# KiCad board k-1008-visable-memory.kicad_pcb (continued)
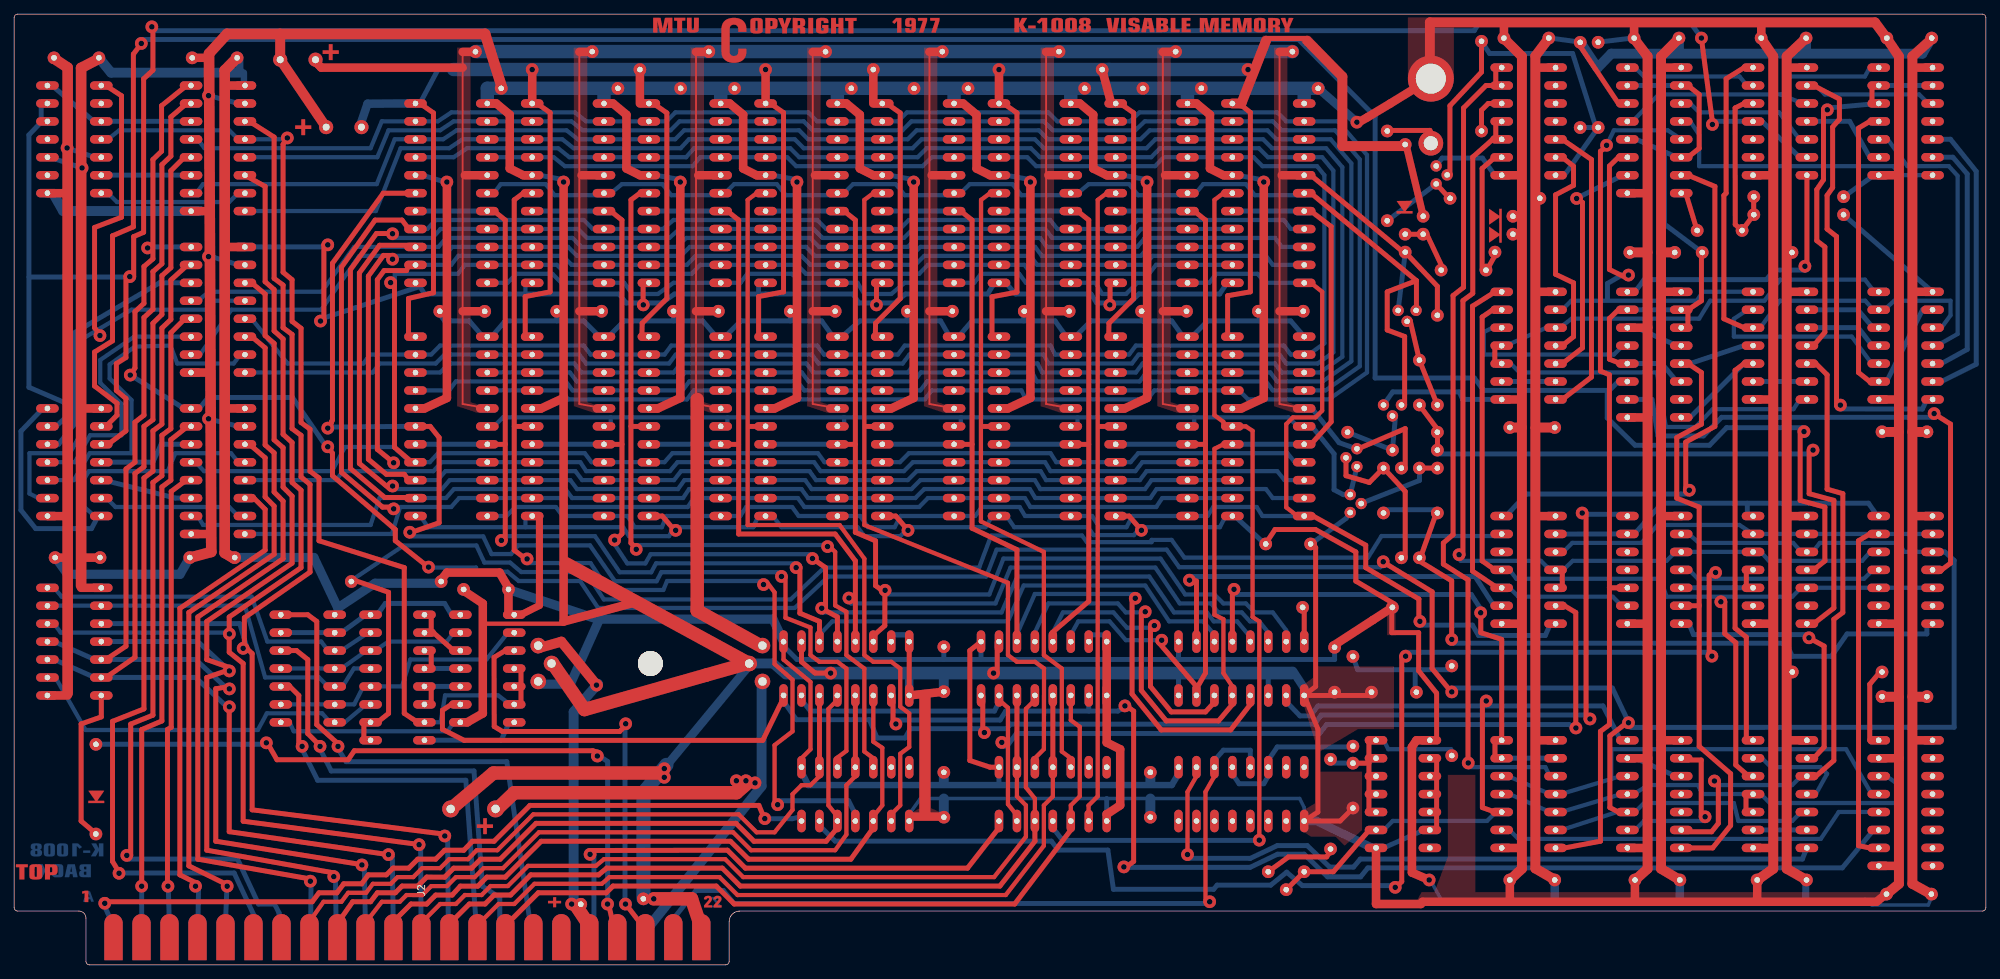
[diagram p0: board, top side]
## Routing (per net, layer and track width the routed paths; a pad name or vN(x,y) marks a point on that pad's centre or on a via; arc(x,y) is an arc through that point) (continued)
/Ram chips (high)/~{DIN_7}: length 165.9
  Top w0.6: 116.47,27.99 116.47,29.35 117.74,30.3 117.74,41.96 116.47,42.91 113.93,42.91 112.66,43.86 112.66,47.77 109.13,49.16 109.13,54.97
  Top w0.7: 56.78,109.27 52.22,109.27 45.03,99.34 45.03,77.2 44.98,77.05 44.92,76.88 44.84,76.68 44.74,76.47 44.69,76.36 44.63,76.26 44.58,76.16 44.52,76.08 44.46,76 44.4,75.93 ; 56.78,76.25 58.85,76.25 60.12,74.66 60.12,62.59 55.51,61.01
  Bottom w0.606: 108.56,55.61 91.57,55.61 90.89,54.32 85,54.32 81.47,59.4 71.27,59.4 70.31,58.17 67.55,58.17 66.36,60.67 55.97,60.67
  Bottom w0.7: 44.39,76.15 56.78,76.26
  vias: v1(44.37,76) v1(55.97,61.26) v1(108.56,55)
/Ram chips (high)/~{LOC_RW}: length 152.3
  Top w0.6: 141.87,20.53 141.87,21.16 140.6,22.75 140.6,36.4 139.33,37.51 139.33,38.15
  Top w0.7: 218.07,50.85 219.34,50.85 220.93,49.89 220.93,33.38
  Bottom w0.7: 111.39,38.16 111.39,37.53 112.66,35.94 138.69,35.94 139.33,37.21 139.33,38.16 ; 220.92,33.4 219.97,34.03 185.68,34.03 184.7,32.76 141.8,32.76 140.46,30.96 139.71,30.96
  vias: v1(139.73,31.5) v1(220.95,33.54)
/Ram chips (high)/~{MEM_CE}: length 175.6
  Top w0.7: 157.11,36.88 158.38,35.92 158.38,14.65 157.11,13.7 ; 124.34,38.15 124.34,34.02
  Bottom w0.7: 263.79,19.13 263.09,19.13 258.64,13.74 191.51,13.74 190.49,12.47 185.81,12.47 182.51,15.67 178.75,15.67 174.85,13.81 157.11,13.81 ; 152.03,38.16 152.03,35.94 ; 124.72,34.67 139.49,34.67 140.28,35.94 156.15,35.94 157.11,36.57
  vias: v1(124.75,34.11) v1(157,13.87) v1(157.15,36.67)
/Ram chips (high)/~{RAM_WE}: length 336.9
  Top w0.6: 182.51,63.55 181.56,63.55 179.97,64.78 179.97,76.56 180.91,77.52 184.1,77.52 185.05,78.47 185.05,95.3 183.46,96.57 182.51,96.57
  Top w0.7: 198.73,48.62 198.73,51.8 191.22,56.24 191.22,59.42 183.78,63.55 182.51,63.55
  Bottom w0.6: 182.4,96.58 177,96.58 175.9,97.85 170.04,97.85 169.09,96.58 158.9,96.58 157.31,94.99 153.93,94.99 152.98,96.58 143.14,96.58 142.18,97.85 136.79,97.85 135.83,96.58 125.99,96.58 124.09,94.99 120.28,94.99 119.32,96.58 111.28,96.58 110.01,97.85 103.72,97.85 102.77,96.58 93.29,96.58 91.07,94.99 87.44,94.99 86.3,96.58 77.41,96.58 76.14,97.85 71.06,97.85 69.79,96.58 66.94,96.58 ; 182.4,63.56 176.6,63.56 175.8,64.83 169.64,64.83 168.85,63.56 158.23,63.56 157.37,61.97 153.53,61.97 152.51,63.56 143.02,63.56 142.26,64.83 136.91,64.83 135.96,63.56 125.4,63.56 124.57,61.97 120.83,61.97 119.69,63.56 110.99,63.56 110.07,64.83 103.56,64.83 102.73,63.56 92.28,63.56 91.64,61.97 87.8,61.97 86.76,63.56 77.6,63.56 76.64,64.83 70.92,64.83 69.65,63.56 66.94,63.56
  Bottom w0.7: 217.9,48.1 217.26,48.1 216.63,46.64 207.19,46.64 206.32,48.1 198.85,48.1
  vias: v1(198.88,48.64)
/Ram chips (low)/~{DIN_0}: length 93.8
  Top w0.6: 152.03,20.37 152,22.56 153.3,23.88 153.3,108.31 154.57,109.27 155.84,109.27
  Top w0.7: 155.84,76.25 153.41,76.25
/Ram chips (low)/~{DIN_1}: length 93.1
  Top w0.6: 139.33,109.27 138.06,109.27 136.79,108.31 136.77,62.79 145.68,58.47 145.68,43.86 148.22,41.96 148.22,30.21 149.49,29.26 149.49,27.99
  Top w0.7: 139.33,76.25 136.9,76.25
/Ram chips (low)/~{DIN_2}: length 128.6
  Top w0.6: 172.35,109.27 171.08,109.27 169.81,108.31 169.81,77.83 171.08,76.88 171.08,76.25 ; 172.35,76.25 174.26,76.25 175.21,75.61 175.21,49.26 176.16,48.62 176.16,17.51
  Bottom w0.7: 146.95,20.38 146.95,19.43 148.32,17.63 176.47,17.63
  vias: v1(176.16,17.66)
/Ram chips (low)/~{DIN_3}: length 103.7
  Top w0.6: 144.41,27.99 144.42,29.27 145.68,30.54 145.7,41.97 144.41,42.91 141.87,42.91 140.6,43.86 140.6,54.11 120.28,62.28 120.28,108.31 121.55,109.27 122.82,109.27
  Top w0.7: 122.82,76.25 120.43,76.25
/RAM_A0: length 316.8
  Top w0.7: 56.78,71.17 56.29,71.17 53.81,73.29 53.81,96.78
  Bottom w0.6: 25.03,71.18 25.66,71.18 26.87,69.91 44.97,69.91 46.81,73.33 53.67,73.33 56.14,71.1 56.78,71.18 58.8,71.18 59.98,72.45 80.73,72.45 81.68,71.18 92.01,71.18 93.13,72.45 113.72,72.45 114.63,71.18 125.32,71.18 126.59,72.45 146.62,72.45 147.43,71.18 157.95,71.18 159.02,72.45 180.14,72.45 181.18,71.18 182.51,71.18 ; 172.35,99.12 161.55,99.12 160.56,97.85 143.88,97.85 142.93,99.12 129.28,99.12 128.04,97.85 112.02,97.85 110.75,99.12 97.05,99.12 95.86,97.85 78.05,97.85 76.78,99.12 63.76,99.12 62.81,97.85 53.86,97.85 53.86,96.58
  vias: v1(53.26,96.6)
/RAM_A1: length 335.9
  Top w0.7: 53.29,103.55 51.25,103.55 47.57,98.43 47.57,70.28 52.43,66.18 56.78,66.18
  Bottom w0.6: 25.03,63.56 25.98,63.56 26.73,62.29 50.43,62.29 51.7,66.1 61.09,66.1 62.22,67.37 77.98,67.37 78.94,66.1 94.64,66.1 95.48,67.37 111.39,67.37 112.31,66.1 127.49,66.1 128.76,67.37 143.7,67.37 144.47,66.1 160.75,66.1 161.62,67.37 177.11,67.37 178.06,66.1 182.51,66.1 ; 172.35,104.2 159.42,104.2 158.35,102.93 146.83,102.93 145.88,104.2 127.15,104.2 125.88,102.93 114.36,102.93 113.09,104.2 94.13,104.2 92.7,102.93 81.05,102.93 79.78,104.2 60.32,104.2 59.17,102.93 53.52,102.93
  vias: v1(53.53,103.52)
/RAM_A2: length 329.9
  Top w0.7: 56.78,104.19 55.83,104.19 54.88,105.46 51.07,105.46 46.3,98.79 46.3,69.75 52.12,64.82 53.61,64.82
  Bottom w0.6: 32.65,61.02 53.45,61.02 54.6,64.83 61.83,64.83 62.95,66.1 77.28,66.1 78.23,64.83 95.3,64.83 96.14,66.1 110.88,66.1 111.8,64.83 128.04,64.83 129.28,66.1 143,66.1 143.77,64.83 161.58,64.83 162.42,66.1 172.35,66.1 ; 56.78,104.2 58.46,104.2 59.63,105.47 80.59,105.47 81.86,104.2 91.81,104.2 93.28,105.47 113.61,105.47 114.88,104.2 125.32,104.2 126.59,105.47 146.59,105.47 147.58,104.2 157.82,104.2 158.9,105.47 179.65,105.47 180.6,104.2 182.51,104.2
  vias: v1(53.69,64.57)
/RAM_A3: length 309.7
  Top w0.7: 53.61,71.17 51.38,72.99 51.38,97.02 52.34,98.31 55.51,98.31 55.83,99.11 56.78,99.11
  Bottom w0.6: 56.78,99.12 61.83,99.12 62.82,100.39 77.6,100.39 78.87,99.12 95.19,99.12 96.39,100.39 111.39,100.39 112.66,99.12 127.49,99.12 128.76,100.39 143.77,100.39 144.72,99.12 160,99.12 161.07,100.39 177.11,100.39 178.06,99.12 182.51,99.12 ; 32.65,68.64 45.58,68.64 46.5,69.91 59.31,69.91 60.47,71.18 80.1,71.18 80.93,69.91 92.78,69.91 93.85,71.18 113.17,71.18 114.09,69.91 125.89,69.91 127.16,71.18 145.86,71.18 146.62,69.91 158.63,69.91 159.61,71.18 172.35,71.18
  Bottom w0.7: 53.69,71.18 53.69,69.99
  vias: v1(53.69,71.09)
/RAM_A4: length 331.3
  Top w0.7: 53.13,67.42 48.84,70.99 48.84,97.98 51.7,101.89 56.78,101.89
  Bottom w0.6: 172.35,68.64 160.91,68.64 159.99,67.37 145.17,67.37 144.41,68.64 128.22,68.64 126.95,67.37 112.84,67.37 111.92,68.64 94.83,68.64 93.92,67.37 79.64,67.37 78.68,68.64 61.63,68.64 60.53,67.37 53.6,67.37 ; 182.51,101.66 179.33,101.66 178.38,102.93 159.96,102.93 158.89,101.66 146.1,101.66 145.15,102.93 127.7,102.93 126.43,101.66 113.88,101.66 112.61,102.93 95.09,102.93 93.73,101.66 80.27,101.66 79,102.93 61.13,102.93 60.03,101.66 48.11,101.66 43.51,95.31 27.57,95.31 25.98,94.04 25.03,94.04
  vias: v1(53.54,67.8)
/RAM_A5: length 328
  Top w0.7: 53.61,100.46 52.24,100.46 50.11,97.52 50.11,71.59 52.65,69.46 55.19,69.46 55.83,68.63 56.78,68.63
  Bottom w0.6: U26.14 U27.9 ; 172.35,101.66 160.48,101.66 159.41,100.39 145.39,100.39 144.44,101.66 128.21,101.66 126.94,100.39 113.29,100.39 112.02,101.66 95.59,101.66 94.32,100.39 79.64,100.39 78.37,101.66 61.95,101.66 60.94,100.39 48.84,100.39 43.44,92.77 30.74,92.77 26.3,86.42 25.03,86.42 ; 182.51,68.64 179.72,68.64 178.7,69.91 160.21,69.91 159.26,68.64 155.84,68.64 ; 56.78,68.64 59.92,68.64 61.02,69.91 79.4,69.91 80.35,68.64 93.36,68.64 94.35,69.91 112.53,69.91 113.45,68.64 126.43,68.64 127.7,69.91 145.22,69.91 145.99,68.64 149.49,68.64
  vias: v1(53.53,99.92)
/RAM_A6: length 320.8
  Bottom w0.6: 32.65,83.88 50.75,83.88 51.7,85.15 59.64,85.15 60.91,86.42 79.95,86.42 80.91,85.15 92.65,85.15 93.61,86.42 112.85,86.42 113.8,85.15 125.71,85.15 126.66,86.42 145.68,86.42 146.31,85.15 158.14,85.15 159.09,86.42 179.01,86.42 179.97,85.15 184.41,85.15 186.63,86.74 186.63,112.46 185.05,114.36 177.38,114.36 176.11,115.63 162.11,115.63 160.87,114.36 145.11,114.36 143.84,115.63 129.1,115.63 127.83,114.36 111.07,114.36 109.8,115.63 96.18,115.63 95.08,114.36 78.55,114.36 76.96,115.63 64.08,115.63 62.17,114.36 56.78,114.36
/RAM_A7: length 308.6
  Bottom w0.6: 66.94,114.36 76.33,114.36 77.92,113.09 96.01,113.09 97.05,114.36 109.37,114.36 110.64,113.09 128.53,113.09 129.8,114.36 143.33,114.36 144.6,113.09 161.4,113.09 162.64,114.36 175.34,114.36 176.61,113.09 184.33,113.09 185.36,111.82 185.36,88.01 183.14,86.42 180.6,86.42 179.65,87.69 158.69,87.69 157.74,86.42 147.26,86.42 146.63,87.69 125.99,87.69 125.04,86.42 114.56,86.42 113.61,87.69 92.97,87.69 92.02,86.42 81.54,86.42 80.59,87.69 60.27,87.69 59,86.42 50.36,86.42 49.41,85.15 38.68,85.15 33.6,91.5 32.65,91.5
/RAM_A8: length 336.6
  Bottom w0.6: 66.94,81.34 77.41,81.34 78.37,80.07 95.19,80.07 96.15,81.34 110.16,81.34 111.12,80.07 128.85,80.07 129.8,81.34 142.5,81.34 143.14,80.07 160.35,80.07 161.31,81.34 173.3,81.34 174.57,80.07 186,80.07 191.4,83.88 191.4,114.68 187.27,119.44 179.97,119.44 178.7,120.71 159.21,120.71 157.86,119.44 147.58,119.44 146.31,120.71 126.31,120.71 125.04,119.44 113.61,119.44 112.34,120.71 93.56,120.71 92.29,119.44 80.91,119.44 79.32,120.71 61.86,120.71 59.95,119.44 52.01,119.44 50.43,115.63 26.93,115.63 25.98,116.9 25.03,116.9
/RAM_A9: length 330.8
  Bottom w0.6: 24.82,109.28 25.77,109.28 26.72,110.55 51.3,110.55 53.84,116.9 60.69,116.9 62.6,118.17 78.16,118.17 79.74,116.9 93.52,116.9 94.79,118.17 111.06,118.17 112.33,116.9 126.42,116.9 127.69,118.17 144.97,118.17 146.24,116.9 159.35,116.9 160.66,118.17 177.31,118.17 178.58,116.9 186.24,116.9 189.18,113.49 189.18,85.47 185.12,82.61 178.67,82.61 177.72,83.88 160.18,83.88 159.23,82.61 144.68,82.61 144.04,83.88 128.26,83.88 127.31,82.61 112.39,82.61 111.43,83.88 94.88,83.88 93.92,82.61 79.59,82.61 78.64,83.88 66.73,83.88
/RAM_A10: length 330.4
  Bottom w0.6: 32.65,106.74 51.18,106.74 54.67,115.63 61.54,115.63 63.44,116.9 77.56,116.9 79.14,115.63 94.29,115.63 95.47,116.9 110.43,116.9 111.7,115.63 127.11,115.63 128.38,116.9 144.41,116.9 145.68,115.63 160.2,115.63 161.45,116.9 176.7,116.9 177.97,115.63 185.61,115.63 187.9,112.95 187.91,86.1 184.73,83.88 179.33,83.88 178.38,85.15 159.65,85.15 158.69,83.88 145.43,83.88 144.79,85.15 127.39,85.15 126.44,83.88 113.04,83.88 112.09,85.15 94.28,85.15 93.32,83.88 80.22,83.88 79.27,85.15 61.54,85.15 60.27,83.88 56.78,83.88
/RAM_A11: length 335.3
  Bottom w0.6: 32.65,114.36 51.38,114.36 52.97,118.17 60.27,118.17 62.17,119.44 78.84,119.44 80.43,118.17 92.87,118.17 94.14,119.44 111.7,119.44 112.97,118.17 125.67,118.17 126.94,119.44 145.68,119.44 146.95,118.17 158.61,118.17 159.96,119.44 178.06,119.44 179.33,118.17 186.88,118.17 190.37,114.04 190.37,84.76 185.53,81.34 178.06,81.34 177.11,82.61 160.74,82.61 159.79,81.34 143.95,81.34 143.31,82.61 129.17,82.61 128.21,81.34 111.78,81.34 110.82,82.61 95.51,82.61 94.56,81.34 79,81.34 78.05,82.61 62.49,82.61 61.54,81.34 56.78,81.34
/RAM_DOUT_0: length 118.5
  Top w0.7: 161.84,45.74 167.27,39.42 167.27,38.15 ; 166,106.73 166.95,106.73 168.54,105.46 168.54,41.32 167.27,39.1 ; 166,73.71 168.54,73.71
  Bottom w0.6: 162.5,45.97 157.28,45.97 154.97,48.64 150.55,48.64 149.49,46.73 149.49,45.78
  Bottom w0.7: 155.84,106.74 166,106.74 ; 155.84,73.72 166,73.72
  vias: v1(162.35,45.97)
/RAM_DOUT_1: length 127.1
  Top w0.7: 146.95,45.77 146.91,47.09 152.03,51.48 152.03,105.46 150.44,106.73 149.49,106.73 ; 169.81,38.15 169.81,37.19 168.54,35.82 163.71,35.82 160.76,39.42 160.76,47.99 ; 149.49,73.71 152.03,73.71
  Bottom w0.6: 161.23,47.74 157.42,47.74 155.52,49.91 148.38,49.91 146.95,47.05 146.95,45.78
  Bottom w0.7: 139.33,106.74 149.49,106.74 ; 139.33,73.72 149.49,73.72
  vias: v1(161.31,48.04)
/RAM_DOUT_2: length 144.9
  Top w0.6: 172.35,73.71 171.08,73.71 169.81,73.07 169.81,49.58 171.08,48.94 171.08,41.32 172.35,39.42 172.35,38.15
  Top w0.7: 182.51,106.73 183.46,106.73 186.32,104.54 186.32,76.88 183.46,73.71 182.51,73.71 ; 159.47,49.89 159.47,38.86 162.99,34.55 170.4,34.55 172.35,36.88 172.35,38.15
  Bottom w0.6: 159.96,49.91 157.27,49.91 156.15,51.18 146.31,51.18 144.41,47.05 144.41,45.78
  Bottom w0.7: 172.35,73.72 182.51,73.72 ; 172.35,106.74 182.51,106.74
  vias: v1(160.02,50)
/RAM_DOUT_3: length 146.6
  Top w0.7: 141.87,45.77 141.87,58.78 135.52,61.83 135.52,105.46 133.93,106.73 132.98,106.73 ; 132.98,73.71 135.52,73.71 ; 174.89,38.15 174.89,36.88 172.12,33.28 162.27,33.28 158.16,38.36 158.16,51.8
  Bottom w0.6: 158.61,52.52 144.41,52.52 141.87,46.81 141.87,45.85
  Bottom w0.7: 122.82,106.74 132.98,106.74 ; 122.82,73.72 132.98,73.72
  vias: v1(158.61,51.91)
/RAM_DOUT_4: length 155.6
  Top w0.7: 116.47,73.71 119.01,73.71 ; 121.55,45.77 121.6,46.64 123.18,48.03 123.19,52.73 121.87,53.69 121.87,60.04 119.01,61.25 119.01,105.46 117.42,106.73 116.47,106.73
  Bottom w0.6: 179.97,45.78 179.97,47.37 178.06,49.91 175.52,49.91 174.25,51.18 171.08,51.18 169.81,52.45 165.68,52.45 162.19,57.53 139.96,57.53 137.96,52.45 123.2,52.45
  Bottom w0.7: 106.31,106.74 116.47,106.74 ; 106.31,73.72 116.47,73.72
  vias: v1(123.22,53.04)
/RAM_DOUT_5: length 169.2
  Top w0.7: 119.01,45.77 119.01,57.2 116.15,61.01 102.5,61.01 102.5,105.46 100.91,106.73 99.96,106.73 ; 99.96,73.71 102.5,73.71
  Bottom w0.6: 177.43,45.78 177.43,47.05 176.16,48.64 174.84,48.64 173.67,49.91 170.34,49.91 169.35,51.18 164.9,51.18 161.45,56.26 140.96,56.26 138.84,51.18 118.39,51.18 118.05,51.81
  Bottom w0.7: 89.8,73.72 99.96,73.72 ; 89.8,106.74 99.96,106.74
  vias: v1(118.1,51.94)
/RAM_DOUT_6: length 185.6
  Top w0.7: 83.45,73.71 85.99,73.71 ; 83.45,106.73 84.4,106.73 85.99,105.46 85.99,61.04 85.04,60.05 ; 112.98,57.51 114.79,56.24 114.79,50.18 116.47,49.26 116.47,45.77
  Bottom w0.6: 174.89,45.78 174.89,46.42 173.03,48.64 169.71,48.64 168.76,49.91 164.09,49.91 160.6,54.99 141.92,54.99 139.69,49.91 114.42,49.91 114.24,50.54 ; 112.94,58.15 90.05,58.15 89.3,56.85 86.74,56.85 84.61,60.07
  Bottom w0.7: 73.29,106.74 83.45,106.74 ; 73.29,73.72 83.45,73.72
  vias: v1(84.95,60.15) v1(112.94,57.54) v1(114.25,50.5)
/RAM_DOUT_7: length 194.4
  Top w0.7: 66.94,106.73 67.89,106.73 69.48,105.46 69.48,60.2 ; 113.93,45.77 113.93,48.63 111.16,49.8 111.16,56.34 ; 66.94,73.71 69.48,73.71
  Bottom w0.6: 113.93,45.78 113.93,46.73 115.74,48.64 140.6,48.64 142.82,53.72 160.02,53.72 163.4,48.64 168.22,48.64 169.81,46.73 169.81,45.78 ; 68.77,60.7 82.18,60.7 85.67,55.59 90.13,55.59 90.82,56.86 110.63,56.86
  Bottom w0.7: 56.78,73.72 66.94,73.72 ; 56.78,106.74 66.94,106.74
  vias: v1(68.93,60.1) v1(110.63,56.25)
/Sync and video gen/DOT_1: length 64.4
  Bottom w0.6: 225.96,26.33 218.87,24.19 217.27,24.19 211.55,26.64 210.28,26.64 ; 225.96,26.33 227.28,26.73 228.23,26.73 ; 225.96,26.33 225.96,30.54 259.18,30.54 262.77,24.19 263.62,24.19
/Sync and video gen/DOT_2: length 67.7
  Top w0.7: 245.02,24.19 245.02,21.65
  Bottom w0.6: 210.28,24.19 211.55,24.19 217.26,21.65 218.87,21.65 227.38,24.19 229.13,24.19 231.23,25.46 238.22,25.46 238.85,24.19 247.11,24.19 248.38,22.92 266.79,22.92 266.79,25.37 264.89,26.73 263.62,26.73
/Sync and video gen/DOT_CLK: length 106.5
  Top w0.7: P1.2 P1.1 186.64,13.19 191.72,19.1 192.67,19.1 ; 210.45,21.64 209.5,21.64 207.72,22.27 207.72,37.36
  Bottom w0.6: 210.28,21.65 209.64,21.65 208.37,20.38 195.04,20.38 193.77,19.11 192.5,19.11
  Bottom w0.7: 228.06,31.81 227.27,31.81 224.79,36.67 184.46,36.67 183.37,35.26 181.91,35.26 179.95,37.3 179.95,37.94
  vias: v1(208.27,37.37)
/Sync and video gen/HORIZ_UNBLK: length 131.6
  Top w0.7: 242.01,51.43 242.01,46.89 243.57,45.62 243.57,28.3 245.38,26.72 246.01,26.72 ; 210.45,92.76 209.18,92.76 207.69,91.73 207.69,57.2 209.5,55.93 210.45,55.93
  Bottom w0.6: 271.24,53.4 252.82,53.4 251.55,52.13 233.77,52.13 232.92,54.67 212.53,54.67 211.55,55.94 210.28,55.94
  vias: v1(241.46,51.41)
/Sync and video gen/VIDEO: length 6.7
  Top w0.7: 194.26,118.16 200.29,118.16 200.61,117.52
/Sync and video gen/~{DISP_AD_0}: length 74.2
  Top w0.7: 271.64,78.04 273.95,76.56 273.95,56.88 272.68,55.93 271.41,55.93
  Bottom w0.7: 228.23,80.07 231.71,80.07 232.57,74.9 238.99,74.9 241.56,77.53 271.62,77.53
  vias: v1(271.63,78.06)
/~{KIM_DECODE_ENABLE}: length 61.3
  Top w0.7: 86.51,8.62 88.94,5.46 ; 70.75,44.5 69.48,44.5 67.89,43.54 67.92,33.75 69.09,33.05 85.67,33.05 86.63,34.02
  Bottom w0.7: 86.42,34.03 86.42,8.95
  vias: v1(86.52,34.14) v1(86.49,8.61)
/~{KIM_PHI_2}: length 108
  Top w0.6: 169.81,27.99 169.81,26.72 168.54,24.49 168.54,8.94
  Bottom w0.7: 169.49,8.7 101.82,8.7 100.33,10.54 96.46,10.54 92.97,6.16 ; 174.89,28 174.89,30.4 171.08,30.4 169.81,28.95 169.81,28
  vias: v1(169.14,8.94)
/~{KIM_VECTOR_FETCH}: length 98.7
  Top w0.7: 82.68,30.08 81.86,30.32 48.13,30.32 47.26,29.05 37.18,29.05 35.91,31.27 ; 84.09,8.62 85.04,4.49
  Bottom w0.7: 11.69,31.24 35.5,31.24 ; 83.97,8.63 83.97,28.8 82.49,29.77
  vias: v1(35.68,31.44) v1(82.51,29.57) v1(83.95,8.61)
Net-(C5-Pad1): length 27.8
  Top w0.25: 191.65,28.56 191.67,28.54
  Top w0.7: 191.67,21.64 191.67,31.8 ; C5.1 191.65,28.56
  Bottom w0.6: 192.5,31.81 193.77,31.81 194.4,30.54 203.29,30.54 203.29,29.81
  Bottom w0.7: 186.24,28.57 189.32,28.57
Net-(C17-Pad1): length 18.2
  Bottom w0.7: 198.21,38.7 198.21,41.61 ; 203.41,41.79 190.07,41.79 189.41,43.66
Net-(C19-Pad1): length 100.3
  Top w0.7: 198.7,57.23 203.38,54.38 203.38,46.08 ; 198.9,57.51 201.16,63.86
  Bottom w0.7: 271.24,48.28 270.6,48.28 270.6,46.86 259.31,46.86 257.1,43.69 251.55,43.69 250.73,45.54 203.38,45.54 ; 193.74,64.45 201.36,64.45
  vias: v1(203.39,46.08)
Net-(C20-Pad1): length 89.8
  Top w0.7: 198.92,79.1 201.36,75.84 201.36,72.75 ; 253.63,48.31 254.58,48.31 257.44,50.53 257.44,65.77 253.95,66.72 253.95,72.75
  Bottom w0.7: 201.32,72.35 254.52,72.35
  vias: v1(254.5,72.89)
Net-(C31-Pad1): length 21
  Top w0.7: 208.23,98.15 209.82,101.01 ; 210.45,114.35 209.5,114.35 207.68,112.76 207.68,98.41
Net-(C33-Pad1): length 25.8
  Top w0.7: 246.01,121.97 244.74,121.97 243.47,121.33 243.5,104.82 244.45,103.96 ; 246.11,108.76 246.11,106.22 244.45,103.99
Net-(D1-K): length 22.7
  Top w0.7: 12.33,38.15 12.33,35.11 9.48,34.11 9.48,20.37 11.7,18.46
Net-(D2-K): length 8.5
  Top w0.7: 199.66,103.87 202.2,98.47 ; 196.8,103.45 199.34,103.45
Net-(P1-Pad3): length 10.1
  Top w0.7: 186.32,16.24 185.69,15.29 180.29,15.29 P1.3
Net-(Q3-B): length 13.2
  Top w0.7: 198.82,70.35 201.36,70.35
  Bottom w0.7: 198.82,70.35 198.82,68.59 190.56,65.34
Net-(Q4-B): length 22.6
  Top w0.7: 196.8,57.83 196.8,67.04 193.73,70.36 191.72,68.31 188.43,69.26 188.43,71.8
Net-(Q5-B): length 11.7
  Bottom w0.7: 195.43,77.76 194.99,72.87 188.66,75.41
Net-(Q6-B): length 12.5
  Top w0.7: 197.52,91.17 C21.2 R8.2
Net-(Q7-B): length 57.4
  Top w0.7: 207.59,130.86 207.59,126.41 203.13,121.65 203.13,111.81
  Bottom w0.7: 221.6,118.57 223.8,118.56 220.49,129.05 208.73,129.05 207.58,130.77 ; 218.07,111.82 219.34,111.82 224.1,118.57
Net-(Q7-E): length 11.4
  Top w0.7: 201.24,110.54 203.06,108.53
  Bottom w0.7: 194.27,105.38 201.19,110.59
Net-(R16-Pad1): length 6.1
  Top w0.7: 210.45,121.97 208.55,121.97 207.59,121.01 207.59,118.16
Net-(S1A-Pin_1): length 27.9
  Bottom w0.7: 37.73,47.05 46.3,47.05 49.79,49.59 51.38,49.59 52.51,51.18 60.9,51.18 61.86,49.59 63.13,49.59
Net-(S1A-Pin_2): length 52.2
  Bottom w0.6: 50.43,47.05 50.11,47.05 46.3,44.51 44.39,44.51 43.44,45.78 35.82,45.78 33.6,52.13 6.72,52.13 5.66,53.4 4.71,53.4
Net-(S1A-Pin_3): length 27.2
  Bottom w0.6: 63.13,47.05 62.17,47.05 61.22,45.78 52.97,45.78 51.06,44.51 49.88,44.51 46.3,41.97 37.73,41.97
Net-(S1A-Pin_4): length 55.4
  Bottom w0.6: 50.43,41.97 48.06,41.97 46.49,39.43 44.39,39.43 43.12,40.7 35.5,40.7 32.65,50.86 4.71,50.86
Net-(S1A-Pin_5): length 39.2
  Bottom w0.6: 70.75,47.05 69.87,47.05 66.82,43.24 56.05,43.24 54.87,39.43 49.4,39.43 48.11,36.89 37.73,36.89
Net-(S1A-Pin_6): length 52.9
  Bottom w0.6: 4.71,40.7 5.85,40.7 10.11,33.26 34.48,33.26 35.75,35.62 43.57,35.62 44.71,34.35 46.78,34.35 49.8,36.89 50.43,36.89
Net-(S1A-Pin_11): length 7.6
  Top w0.7: 59,36.88 59,39.42
  Bottom w0.7: 58.05,39.43 63.13,39.43
Net-(S1A-Pin_13): length 7.6
  Top w0.7: 59,41.96 59,44.5
  Bottom w0.7: 58.05,41.97 63.13,41.97
Net-(S1A-Pin_15): length 7.6
  Top w0.7: 59,49.58 59,47.04 59.32,47.04 62.18,44.5 63.13,44.5
Net-(S1B-Pin_7): length 205.2
  Top w0.7: 47.57,54.66 52.97,52.75 52.97,35.61 51.38,34.34 50.43,34.34 ; 49.48,34.34 49.48,31.8
  Bottom w0.6: 210.5,60.72 193.44,60.72 191.54,57.67 165.56,57.67 163.76,60.17 160.92,60.17 160.92,59.86 151.76,59.86 151.07,60.79 138.23,60.79 136.53,56.26 114.62,56.26 109.85,51.74 83.43,51.74 80.89,55.62 71.75,55.62 70.17,56.96 66.53,56.96 65.4,59.38 55.1,59.38 47.97,54.62
Net-(S1B-Pin_9): length 14.4
  Bottom w0.7: 58.05,31.81 68.91,31.81 70.04,34.35 70.75,34.35
Net-(U8B-O5b): length 22.7
  Bottom w0.7: 172.35,28 172.35,27.05 173.3,25.65 176.79,25.65 177.43,26.73 177.43,28.95 178.7,30.86 189.49,30.86
Net-(U8B-OEb): length 103.6
  Top w0.6: 166,15.6 166,24.49 167.27,26.72 167.27,27.99
  Bottom w0.7: 166.01,15.08 174.89,15.08 178.7,16.89 182.94,16.89 186.12,13.84 189.49,13.84 190.44,14.98 252.99,14.98 253.63,16.57
  vias: v1(166,15.62)
Net-(U9A-Clr): length 4.8
  Top w0.7: 182.51,45.77 182.51,50.53
Net-(U9A-PE): length 56
  Top w0.7: 166.32,54.66 167.27,54.34 167.27,45.77
  Bottom w0.7: 166.31,54.99 206.69,54.99 209.34,50.86 210.45,50.86
  vias: v1(166.28,54.47)
Net-(U9A-Qh): length 74.2
  Top w0.7: 172.35,45.77 172.35,53.07 ; 209.5,29.26 209.5,31.8 ; 207.5,49.89 207.5,47.04 210.45,46.08 210.45,31.8
  Bottom w0.7: 210.81,29.27 217.79,29.27 ; 207.8,49.91 206.14,52.45 172.98,52.45 172.35,53.08
  vias: v1(172.58,53.18) v1(207.48,49.86)
Net-(U11-Pad12): length 118.2
  Top w0.7: 205.69,28.62 205.69,54.53 202.2,56.75 202.2,59.74 203.57,60.92 203.57,94.77 205.05,95.93 205.05,121.33 208.23,124.51 210.45,124.51 ; 209.61,127.05 209.61,124.51
  Bottom w0.6: 205.7,28 216.63,28 217.26,26.73 217.9,26.73
  vias: v1(205.72,28.59)
Net-(U12A-Q3): length 22.5
  Top w0.7: 235.85,29.01 238.68,29.01 238.68,21
  Bottom w0.6: 239.25,20.38 230.6,20.38 229.33,19.11 228.06,19.11
  vias: v1(239.23,20.97)
Net-(U12B-Q2): length 90.4
  Top w0.7: 241.1,26.04 241.1,20.04 240.15,18.85 235.85,18.85 ; 253.63,85.14 254.9,85.14 256.49,83.55 256.49,67.36 258.71,66.72 258.71,49.89 257.44,48.94 257.44,28.94 254.9,26.72 253.63,26.72
  Bottom w0.6: 240.52,25.46 251.55,25.46 252.82,26.73 253.46,26.73
  vias: v1(240.55,26.04)
Net-(U12B-Q3): length 95.3
  Top w0.25: 238.35,50.85 238.39,50.89
  Top w0.7: 235.85,85.14 236.8,85.14 238.71,83.87 238.71,76.56 235.22,74.66 235.22,66.09 238.39,64.82 238.39,30.94 242.84,27.07 242.84,19.73 240.3,16.56 235.85,16.56 ; U16.9 238.35,50.85
  Bottom w0.7: 235.85,85.15 237.12,85.15 244.74,87.69 246.01,87.69
Net-(U13-Pad6): length 7.6
  Bottom w0.7: 245.98,19.11 253.6,19.11
Net-(U13-Pad11): length 15.9
  Bottom w0.6: 253.63,24.19 254.9,24.19 256.48,27.05 255.53,28 248.55,28 247.28,29.27 246.01,29.27
Net-(U13-Pad13): length 39.2
  Top w0.7: 253.63,29.26 254.58,29.26 256.07,30.84 256.07,45.13 253.94,46.3
  Bottom w0.7: 235.68,48.32 236.95,48.32 237.58,46.77 253.95,46.77
  vias: v1(253.92,46.31)
Net-(U14A-~{Q}): length 104.6
  Top w0.7: 263.79,16.56 262.52,16.56 260.93,16.87 260.93,60.05 262.52,61.01 263.79,61.01
  Bottom w0.6: 271.24,61.02 245.99,61.02 244.08,62.29 232.5,62.29 230.25,59.75 220.44,59.75 219.17,58.48 217.9,58.48
Net-(U14A-~{R}): length 10.4
  Top w0.7: 262.52,31.8 262.52,39.73 264.11,41.64
Net-(U14A-~{S}): length 55.9
  Bottom w0.6: 210.28,19.11 211.55,19.11 212.82,17.84 255.6,17.84 258.14,21.65 263.62,21.65
Net-(U15-Pad5): length 65.9
  Top w0.7: 210.45,53.39 209.82,53.39 206.32,55.75 206.32,93.27 209.5,95.3 210.45,95.3
  Bottom w0.6: 210.28,53.4 211.55,53.4 212.82,52.13 226.15,52.13 227.42,50.86 228.06,50.86
Net-(U15-Pad10): length 129.7
  Top w0.7: 219.02,53.39 219.02,55.93 ; 204.97,58.07 204.97,94.05 206.36,95.08 206.36,114.38 209.18,116.89 210.45,116.89 ; 209.61,119.43 209.61,116.89
  Bottom w0.6: 263.77,58.48 262.58,58.48 261.46,57.21 248.26,57.21 247.11,58.48 235.04,58.48 233.77,57.21 220.5,57.21 219.17,55.94 217.26,55.94 215.99,57.21 204.67,57.21 204.14,57.75
  vias: v1(204.42,58.08)
Net-(U15-Pad13): length 50.5
  Bottom w0.7: 245.2,63.46 245.2,65.37 ; 217.9,61 228.06,61.02 229.23,61.02 233.14,65.37 262.35,65.37 263.62,63.54
Net-(U16-Pad10): length 12.7
  Top w0.7: 245.06,55.93 245.06,53.39
  Bottom w0.7: 235.68,53.4 245.84,53.4
Net-(U16-Pad11): length 208.2
  Top w0.7: 195.36,10.84 196.31,11.79 196.31,43.71 ; 240.61,55.93 239.8,55.17 239.8,43.86
  Bottom w0.6: 263.62,55.94 262.98,55.94 261.71,54.67 238.22,54.67 236.95,55.94 235.68,55.94
  Bottom w0.7: 196.86,44.27 240.16,44.27 ; 195.52,11.22 182.26,11.22 180.03,13.13 177.78,11.29 170.19,11.29 169.7,10.7 155.52,10.7 154.73,16.25 147.7,16.25 146.75,17.52 116.15,17.52 113.93,19.74 113.93,20.38
  vias: v1(195.39,10.98) v1(196.86,43.71) v1(240.19,43.71) v1(240.71,55.56)
Net-(U19A-CP): length 62.2
  Bottom w0.6: 32.65,71.18 31.7,71.18 30.68,72.45 22.81,72.45 21.74,69.91 10.58,69.91 9.92,68.82 9.92,64.83 11.38,63.56 12.01,63.56
  Bottom w0.7: 12.33,63.56 11.89,63.56 10.94,61.77 3.05,61.77 0.96,64.39 0.96,75.56 4.07,78.8 4.71,78.8
Net-(U19A-Q0): length 36.6
  Bottom w0.7: 25.03,96.58 20.58,96.58 8.38,89.43 8.38,76.39 6.3,73.72 4.71,73.72
Net-(U19A-Q1): length 38.5
  Bottom w0.6: 25.03,88.96 17.01,88.96 12.18,85.65 12.18,82.41 15.19,79.44 15.19,74.99 10.74,74.99 8.58,71.18 4.71,71.18
Net-(U19A-Q2): length 50.3
  Bottom w0.6: 32.65,86.42 32.01,86.42 31.06,85.15 23.07,85.15 22.12,87.69 17.09,87.54 13.51,85.02 13.51,83.03 16.6,79.97 16.6,72.45 10.69,72.45 8.45,68.64 4.71,68.64
Net-(U19A-Q3): length 95.2
  Top w0.7: 12.33,88.95 11.38,90.22 11.38,104.41 15.19,105.87 15.19,123.06 12.97,124.51
  Bottom w0.6: 32.65,94.04 28.2,94.04 27.25,92.77 16.62,92.77 9.67,88.64 9.67,75.63 7.88,72.45 2.17,72.45 2.17,66.74 3.44,66.1 4.71,66.1
  vias: v1(12.14,89.11)
Net-(U19B-Q0): length 14.3
  Bottom w0.7: 12.33,71.18 19.63,71.18 20.81,73.72 25.03,73.72
Net-(U19B-Q1): length 13
  Bottom w0.7: 12.33,68.64 12.65,68.64 22.81,66.1 25.03,66.1
Net-(U19B-Q2): length 21.4
  Bottom w0.6: 32.65,63.56 31.7,63.56 30.42,64.83 14.34,64.83 13.07,66.1 12.33,66.1
Net-(U29-Pad6): length 7.6
  Bottom w0.7: 210.45,82.61 218.07,82.61
Net-(U29-Pad8): length 42.9
  Top w0.7: 218.07,80.06 219.02,80.06 223.15,83.23 223.15,114.03 219.02,116.89 218.07,116.89
Net-(U29-Pad11): length 33.2
  Top w0.7: 218.07,114.35 219.02,114.35 220.61,113.08 220.61,110.37 218.07,109.03 218.07,97.79 220.62,96.57 220.62,88.95 219.02,87.68 218.07,87.68
Net-(U30A-C): length 26.7
  Bottom w0.6: 228.23,87.69 227.59,87.69 226.32,86.42 207.91,86.42 207.91,89.6 209.18,90.23 210.45,90.23
Net-(U30A-~{R}): length 39.9
  Top w0.7: 253.63,98.79 253.63,111.81
  Bottom w0.7: 228.06,95.31 229.33,95.31 230.6,97.03 247.9,97.03 248.98,98.38 253.38,98.38
  vias: v1(253.35,98.92)
Net-(U30B-~{Q}): length 69.3
  Top w0.7: 245.06,31.8 245.06,46.4 243.47,47.67 243.47,84.18 244.74,85.14 246.01,85.14
  Bottom w0.7: 235.85,77.53 237.12,77.53 244.74,85.15 246.01,85.15
Net-(U31-Pad6): length 7.6
  Bottom w0.7: 246.01,82.61 253.63,82.61
Net-(U31-Pad11): length 52.9
  Top w0.7: 262.84,121.97 262.84,124.51 ; 255.97,121.01 255.97,111.17 255.03,109.78 255.03,102.54 256.17,101.65 256.17,89.58 254.58,87.68 253.63,87.68
  Bottom w0.7: 263.79,124.52 271.41,124.52 ; 256.8,121.35 263.79,121.98
  vias: v1(256.52,121.07)
Net-(U32A-CP): length 112.7
  Top w0.7: 209.48,85.14 209.48,87.68
  Bottom w0.6: 210.45,87.69 211.08,87.69 216.8,90.23 218.7,90.23 220.35,91.5 238.39,91.5 239.94,94.04 247.63,94.04 249.86,97.03 261.84,97.03 263.15,95.31 263.79,95.31 ; 253.63,80.07 252.64,80.07 251.72,78.68 240.29,78.68 237.89,76.16 233.67,76.16 232.41,83.88 212.99,83.88 211.72,85.15 210.45,85.15
Net-(U32A-MR): length 79.2
  Top w0.7: 246.01,127.05 244.74,127.05 242.2,125.46 242.2,109.27 241.88,108.95 241.88,91.49 244.74,90.22 246.01,90.22
  Bottom w0.6: 246.02,90.18 246.05,90.19 246.1,90.2 246.17,90.21 246.34,90.22 246.53,90.22 246.88,90.23 247.04,90.23 249.82,94.04 261.88,94.04 263,92.77 264.58,92.77 266,94.04 273.95,94.04 273.95,91.97 272.68,90.23 271.41,90.23
Net-(U32A-Q0): length 11.5
  Bottom w0.7: 253.46,92.75 260.84,92.75 262.97,90.23 263.79,90.23
Net-(U32A-Q1): length 11.4
  Bottom w0.7: 253.63,90.23 260.9,90.23 262.85,87.69 263.79,87.69
Net-(U32A-Q2): length 27.9
  Bottom w0.6: 245.84,92.74 245.2,92.74 243.3,91.47 243.3,88.96 259.98,88.96 262.78,85.15 263.79,85.15
Net-(U32A-Q3): length 54.9
  Top w0.7: 263.79,82.6 262.52,82.6 260.93,83.87 260.93,118.47 262.52,119.43 263.79,119.43
  Bottom w0.7: 271.41,92.77 270,92.77 264.92,82.61 263.79,82.61
Net-(U32B-Q0): length 40.1
  Bottom w0.6: 263.79,116.9 265.06,116.9 267.85,113.09 273.7,113.1 274.95,111.73 274.95,89.34 272.04,87.69 271.41,87.69
Net-(U32B-Q1): length 36.3
  Bottom w0.7: 271.41,114.36 274.28,114.36 276.32,111.98 276.32,87.15 272.68,85.15 271.41,85.15
Net-(U32B-Q2): length 42.4
  Bottom w0.7: 271.41,116.9 273.95,116.9 277.59,112.36 277.59,85.06 272.68,82.61 271.41,82.61
Net-(U32B-Q3): length 82.4
  Top w0.7: 257.82,79.21 257.82,103.13 256.49,104.19 256.49,108.95 257.27,110.07 257.27,118.64 258.23,119.74 258.23,122.6 254.58,124.51 253.63,124.51
  Bottom w0.6: 253.63,124.52 254.9,124.52 256.17,123.25 269.5,123.25 270.77,121.98 271.41,121.98
  Bottom w0.7: 271.38,80.05 270.6,80.05 269.97,78.7 258.36,78.72
  vias: v1(258.37,79.26)
Net-(U34A-CP1..3): length 22.2
  Bottom w0.7: 4.71,124.52 5.34,124.52 11.28,119.44 25.03,119.44
Net-(U34A-Q1): length 12.7
  Bottom w0.7: 12.33,111.82 25.03,111.82
Net-(U34A-Q2): length 21.4
  Bottom w0.6: 12.33,109.28 13.28,109.28 14.55,108.01 30.42,108.01 31.7,109.28 32.65,109.28
Net-(U45A-C): length 44.4
  Bottom w0.6: 249.92,123.25 252.99,121.98 253.63,121.98 ; 228.23,119.44 228.97,119.44 232.67,123.25 251.09,123.25 251.09,125.79 261.83,125.79 262.53,127.06 263.79,127.06
Net-(U45A-Q): length 55.6
  Top w0.7: 228.23,97.2 225.69,98.46 225.69,113.11 226.96,114.35 228.23,114.35
  Bottom w0.6: 218.07,92.77 219.02,92.77 220.3,94.04 238.06,94.04 238.91,95.31 246.01,95.31
  Bottom w0.7: 225.42,94.16 225.42,96.49 227.42,97.66 228.69,97.66
  vias: v1(228.39,97.67)
Net-(U45A-~{Q}): length 34.3
  Top w0.7: 218.07,85.14 219.02,85.14 221.88,87.36 221.88,107.95 220.85,108.53
  Bottom w0.7: 221.07,108.55 227.59,111.82 228.23,111.82
  vias: v1(221.05,108.52)
Net-(U45A-~{R}): length 18.8
  Bottom w0.6: 228.23,127.06 229.31,127.06 230.58,125.79 244.1,125.79 245.2,124.42 245.84,124.42
Net-(U45B-C): length 122
  Top w0.7: 228.23,53.39 225.69,53.39 ; 225.69,116.16 224.42,115.2 224.42,84.09 225.69,83.55 225.69,34.02 224.42,33.07 224.42,17.51 219.34,16.56 218.07,16.56
  Bottom w0.6: 235.85,116.9 233.94,118.17 226.32,118.17 225.3,116.06
  vias: v1(225.29,116.05)
Net-(U45B-J): length 20.2
  Bottom w0.6: 235.85,121.98 237.12,121.98 238.39,120.71 249.7,120.71 252.58,116.9 253.63,116.9
Net-(U45B-Q): length 78.7
  Top w0.7: 236.49,67.04 236.49,74.02 240.61,76.25 240.61,110.22 236.8,111.81 235.85,111.81
  Bottom w0.7: 237,66.67 235.78,66.67 213.94,66.67 211.06,63.55 210.43,63.55
  vias: v1(236.99,67.21)
Net-(U45B-~{K}): length 41.6
  Bottom w0.6: 235.85,119.44 237.12,119.44 238.39,117.54 238.39,113.09 265.86,113.09 266.85,111.82 271.41,111.82
Net-(U45B-~{Q}): length 5.5
  Top w0.7: 238.11,103.96 236.49,109.27
Net-(U46-Pad11): length 13.1
  Bottom w0.7: 253.63,119.44 259.68,119.44 262.52,114.36 263.79,114.36

## Copper pours and planes (outline as drawn; the poured copper is in the pictures)
+5V on Top: 195.45,46.69 194.25,46.69 194.25,50.18 195.45,50.18
+5V on Bottom: 202.03,10.35 262.35,10.35 262.99,8.86 270.61,8.86 271.24,10.13 271.88,10.13 271.24,8.22 201.32,8.22 199.49,12.03 200.79,12.03
+5V on Bottom: 33.1,125.63 32.14,125.63 32.14,127.03 33.1,127.03
+12V on Top: 97.59,79.68 99.18,79.16 99.18,78.18 98.49,78.18 95.69,79.11 95.69,129.87 97.59,129.87
+12V on Top: 81.08,79.68 82.67,79.16 82.67,78.18 81.98,78.18 79.18,79.11 79.18,129.87 81.08,129.87
+12V on Top: 163.63,79.68 165.22,79.16 165.22,78.18 164.53,78.18 161.73,79.11 161.73,129.87 163.63,129.87
+12V on Top: 130.61,79.68 132.2,79.16 132.2,78.18 131.51,78.18 128.71,79.11 128.71,129.87 130.61,129.87
+12V on Top: 147.12,79.68 148.71,79.16 148.71,78.18 148.02,78.18 145.22,79.11 145.22,129.87 147.12,129.87
+12V on Top: 64.57,79.68 66.16,79.16 66.16,78.18 65.47,78.18 62.67,79.11 62.67,129.87 64.57,129.87
+12V on Top: 114.1,79.68 115.69,79.16 115.69,78.18 115,78.18 112.2,79.11 112.2,129.87 114.1,129.87
+12V on Top: 180.14,79.68 181.73,79.16 181.73,78.18 181.04,78.18 178.24,79.11 178.24,129.87 180.14,129.87
-5V on Top: 184.53,130.22 182.57,130.22 182,130.82 177.85,130.82 177.74,130.54 176.24,130.54 176.64,131.56 183.27,131.56
-5V on Bottom: 62.49,125.83 60.33,125.83 58.27,121.98 56.6,121.98 59.64,127.73 62.49,127.73
/+16V_RAW on Bottom: 106.31,25.46 105.36,24.51 104.72,24.51 102.82,26.43 105.09,39.75 106.31,39.75
GND on Top: 131.71,21.32 126.63,21.32 128.22,22.27 129.49,22.27
GND on Top: 203.68,125.48 197.18,125.48 197.18,134.15 203.68,134.15
GND on Top: 190.7,19.09 188.23,16.87 186.96,18.14 183.47,18.14 182.51,18.78 182.51,21.95 184.1,22.9 184.1,27.35 190.7,27.35
GND on Top: 195.21,33.38 190.13,33.38 184.74,30.21 184.74,29.89 184.1,29.89 184.1,31.48 182.51,36.56 182.51,39.73 183.78,40.68 183.78,42.27 195.21,42.27
GND on Top: 206.74,10.29 264.11,10.29 264.11,8.93 198.39,8.93 199.1,10.29 200.93,10.29 202.83,15.28 202.83,26.91 206.74,26.91
GND on Bottom: 64.72,92.14 66.62,89.6 67.26,89.6 69.48,92.14 80.59,92.14 83.13,89.6 83.77,89.6 86.31,92.14 97.74,92.14 99.64,89.6 100.28,89.6 102.82,92.14 114.25,92.14 116.15,89.6 116.79,89.6 119.33,92.14 130.76,92.14 132.66,89.6 133.3,89.6 135.52,92.14 147.27,92.14 149.17,89.6 149.81,89.6 152.35,92.14 163.78,92.14 165.68,89.6 166.32,89.6 168.86,92.14 180.76,92.14 183.62,89.28 181.56,89.28 180.6,90.23 168.86,90.23 167.59,88.96 164.41,88.96 163.46,90.23 152.35,90.23 151.08,88.96 147.9,88.96 146.95,90.23 135.52,90.23 134.57,88.96 131.39,88.96 130.44,90.23 119.33,90.23 118.06,88.96 114.88,88.96 113.93,90.23 102.82,90.23 101.55,88.96 98.37,88.96 97.42,90.23 86.31,90.23 85.04,88.96 81.86,88.96 80.59,90.23 69.48,90.23 68.53,88.96 65.35,88.96 64.4,90.23 60.59,90.23 59.43,92.14
GND on Bottom: 108.96,42.22 109.48,42.22 109.48,40.42 108.9,40.42 108.21,41.02 108.21,42.87
GND on Bottom: 181.56,41.74 181.56,40.42 180.6,40.42 180.6,42.22 181.25,42.22
GND on Bottom: 89.61,23.5 88.03,23.5 88.03,32.33 103.31,42.29 105.09,42.29
GND on Bottom: 183.11,21.65 183.11,20.96 182.13,20.96 181.62,22.54 128.53,22.54 127.2,21.01 126.63,21.01 126.63,22.6 127.58,24.51 182.19,24.51
